# Altium PCB 1.4.0_Power_board_flight_computer.PcbDoc
Units mm, origin at the board's own origin, x right, y up, seen from the top; angles counter-clockwise.
Board outline 152.4 x 101.6 mm, 2 copper layers (Top Layer, Bottom Layer); 253 components, 152 nets, 1140 pads, 0 vias.
Unrouted connection lines stored in the file: 562.
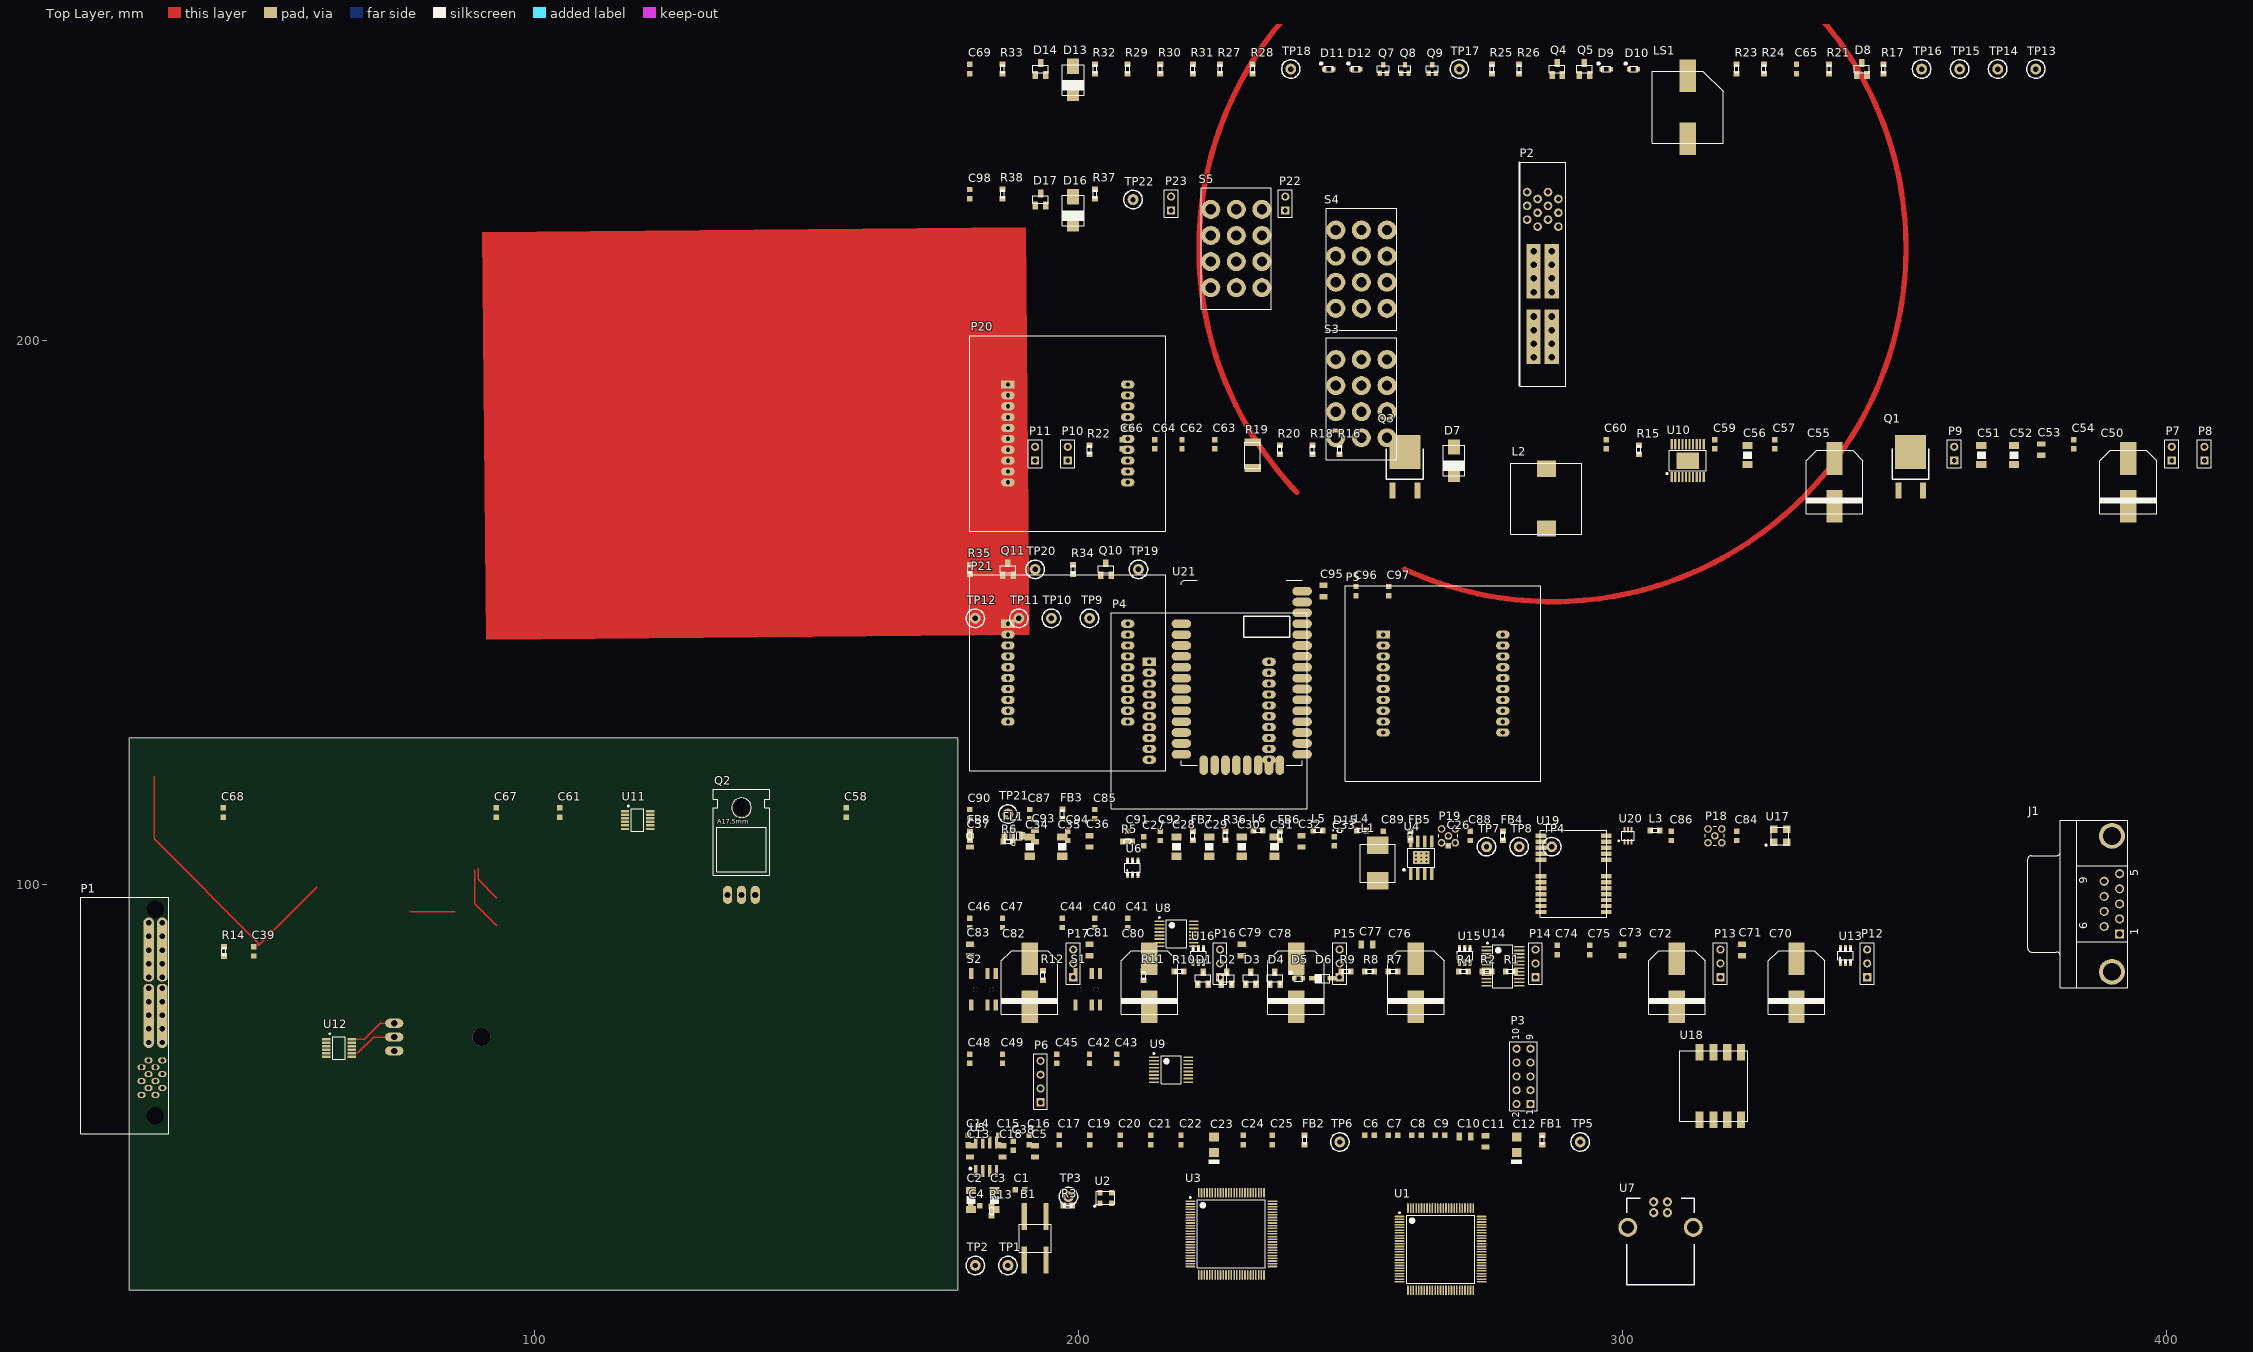
[diagram p0: Top Layer view]
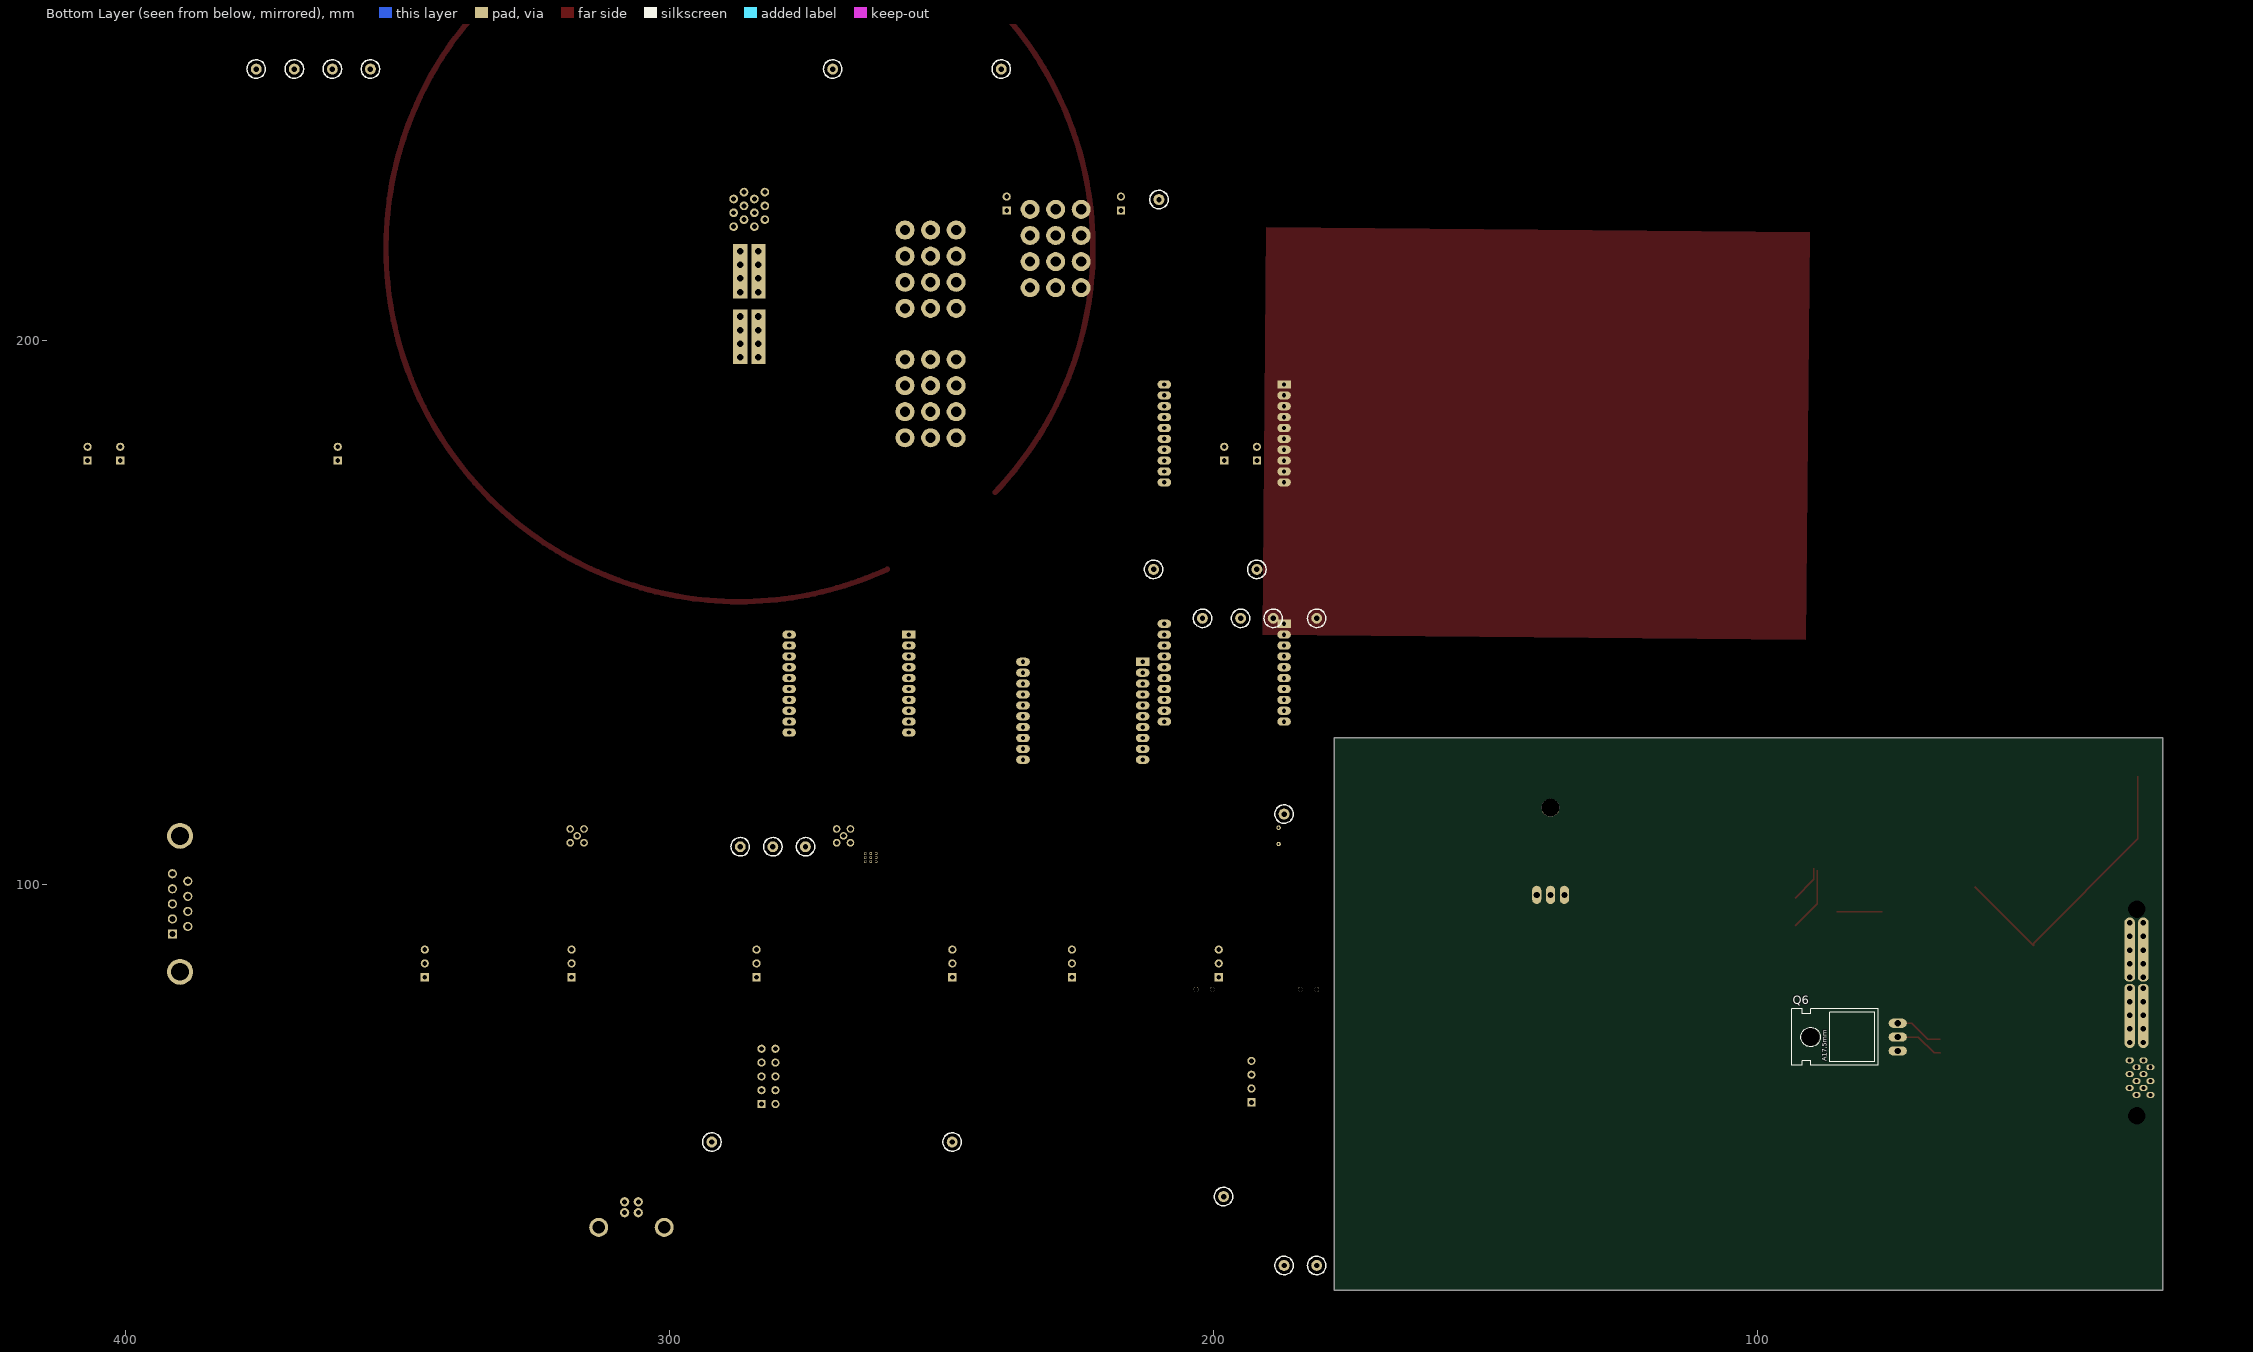
[diagram p1: Bottom Layer view, seen from below]

## Layer stack, top to bottom
Top Solder: solder mask 0.0102, Solder Resist, Dk 3.5
Top Layer: signal copper 0.0356
Dielectric 1: dielectric 0.32, FR-4, Dk 4.8
Bottom Layer: signal copper 0.0356
Bottom Solder: solder mask 0.0102, Solder Resist, Dk 3.5

## Board outline
25.4,25.4 177.8,25.4 177.8,127 25.4,127

## Design rules (kind name [scope] priority, off if disabled: settings)
Clearance [All] p1: gap=0.254
PolygonConnect [All] p1: connectstyle=Relief reliefconductorwidth=0.254 reliefentries=4 polygonreliefangle="90 Angle" airgapwidth=0.254
RoomDefinition 1.2.2_Power_board_PL_power_supply [InComponentClass('1.2.2_Power_board_PL_power_supply')] p1: confinementstyle=ConfineIn formatcopy=TRUE lockcomponents=FALSE outline 179,205 242,205 242,232 179,232
RoomDefinition 1.1.0_Interface_board [InComponentClass('1.1.0_Interface_board')] p2: confinementstyle=ConfineIn formatcopy=TRUE lockcomponents=FALSE outline 179,28 207,28 207,75 179,75
RoomDefinition 1.2.0_XBee_module [InComponentClass('1.2.0_XBee_module')] p3: confinementstyle=ConfineIn formatcopy=TRUE lockcomponents=FALSE outline 179,119 262,119 262,159 179,159
RoomDefinition 1.1.6_Interface_board_Sensors [InComponentClass('1.1.6_Interface_board_Sensors')] p4: confinementstyle=ConfineIn formatcopy=TRUE lockcomponents=FALSE outline 179,93 332,93 332,114 179,114
RoomDefinition 1.1.5_Interface_board_Servos [InComponentClass('1.1.5_Interface_board_Servos')] p5: confinementstyle=ConfineIn formatcopy=TRUE lockcomponents=FALSE outline 179,74 347,74 347,93 179,93
RoomDefinition 1.4.0_Power_board_flight_computer [InComponentClass('1.4.0_Power_board_flight_computer')] p6: confinementstyle=ConfineIn formatcopy=TRUE lockcomponents=FALSE outline 0,0 50.8,0 50.8,25.4 0,25.4
RoomDefinition 1.1.4_Interface_board_USB [InComponentClass('1.1.4_Interface_board_USB')] p7: confinementstyle=ConfineIn formatcopy=TRUE lockcomponents=FALSE outline 178.943,88.773 211.582,88.773 211.582,107.95 178.943,107.95
RoomDefinition 1.1.3_Interface_board_JTAG [InComponentClass('1.1.3_Interface_board_JTAG')] p8: confinementstyle=ConfineIn formatcopy=TRUE lockcomponents=FALSE outline 178.943,58.547 284.861,58.547 284.861,87.503 178.943,87.503
RoomDefinition 1.1.2_Interface_board_Power_Supply [InComponentClass('1.1.2_Interface_board_Power_Supply')] p9: confinementstyle=ConfineIn formatcopy=TRUE lockcomponents=FALSE outline 178.943,48.514 295.148,48.514 295.148,57.277 178.943,57.277
RoomDefinition 1.1.1_Interface_board_MCU [InComponentClass('1.1.1_Interface_board_MCU')] p10: confinementstyle=ConfineIn formatcopy=TRUE lockcomponents=FALSE outline 178.943,26.924 236.982,26.924 236.982,47.244 178.943,47.244
RoutingVias [All] p1: holewidth=0.711 width=1.27 viastyle="Through Hole" minholewidth=0.711 minwidth=1.27 maxholewidth=0.711 maxwidth=1.27
SolderMaskExpansion [All] p1: expansion=0.102
Width [All] p1: maxlimit=0.254 minlimit=0.254 preferedwidth=0.254
30 further rules are at their usual default settings.

## Classes and differential pairs
component class 1.2.2_Power_board_PL_power_supply: C98 D16 D17 P22 P23 R37 R38 TP22
component class 1.1.0_Interface_board: P15
component class 1.1.6_Interface_board_Sensors: C84 C85 C86 C87 C88 C89 C90 C91 C92 C93 C94 D15 FB3 FB4 FB5 FB6 FB7 FB8 FL1 L2 L3 L4 L6 P18 P19 Q10 Q11 R34 R35 R36 TP19 TP20 TP21 U17 U18 U19 U21
component class 1.1.5_Interface_board_Servos: C40 C46 C57 C62 C71 C73 C77 C78 C80 C85 C90 C93 C95 C96 P7 P11 P14 P15 P16 U14 U17 U21
component class 1.4.0_Power_board_flight_computer: C15 C40 C46 C53 C57 C59 C62 C65 C66 C67 C68 C69 C77 C88 C89 C92 C93 C94 C96 D6 D8 D12 D13 D14 D15 L4 LS1 P8 P10 P11 P16 P18 Q1 Q2 Q3 Q4 Q5 Q6 Q7 Q8 Q9 R17 R18 R19 R20 R21 R22 R23 R24 R25 R26 R27 R28 R29 R30 R31 R32 R33 R36 S3 S4 TP13 TP14 TP15 TP16 TP17 TP18 U14 U21
component class 1.1.4_Interface_board_USB: C39 C40 C42 C43 C45 C46 C49 C77 C80 C84 C96 D5 J1 P14 P15 P16 R13 R14 TP9 TP10 TP11 TP12 U7 U8 U17 U21
component class 1.1.3_Interface_board_JTAG: C38 D1 D2 D3 D4 R3 R7 R8 R9 R10 R12 S1 S2 U17
component class 1.1.2_Interface_board_Power_Supply: C6 C7 C8 C9 C10 C11 C12 C13 C14 C15 C16 C17 C19 C20 C21 C22 C23 C24 C25 C38 C39 C42 C43 C45 C49 C57 C68 C71 C73 C77 C84 C93 FB1 FB2 L3 R10 TP5 TP6 TP7 TP8 TP21 U2 U21
component class 1.1.1_Interface_board_MCU: B1 C1 C2 C3 C4 R1 R2 R4 TP1 TP3 TP5 U2 U3
component class 1.2.0_XBee_module: C95 C96 C97 P20 P21 U21

## Components (designator, comment, footprint, x,y, rotation, side; value= is the part's Value field where it differs from the comment)
B1 "Switch OFF-(ON)" "SWITCH CK" 192,35 r0 top
C1 "100nF" CAP0603R 189.23,43.942 r0 top
C2 "2.2uF" CAP1206W 180.213,42.037 r90 top
C3 "2.2uF" CAP1206W 184.531,42.037 r90 top
C4 "100nF" CAP0603R 181,41 r0 top
C5 "10uF" CAP0805W 192,51 r90 top
C6 "100nF" CAP0603R 253.492,53.975 r0 top
C7 "100nF" CAP0603R 257.81,53.975 r0 top
C8 "100nF" CAP0603R 262.128,53.975 r0 top
C9 "100nF" CAP0603R 266.446,53.975 r0 top
C10 "4.7uF" CAP0805W 271.018,53.721 r0 top
C11 "4.7uF" CAP0805W 274.828,52.832 r90 top
C12 "1uF" CAP1206-CASE_A 280.543,52.197 r90 top
C13 "10uF" CAP0805W 180,51 r90 top
C14 "100nF" CAP0603R 179.705,53.086 r90 top
C15 "100nF" CAP0603R 185.293,53.086 r90 top
C16 "100nF" CAP0603R 190.881,53.086 r90 top
C17 "100nF" CAP0603R 196.469,53.086 r90 top
C18 "10uF" CAP0805W 186,51 r90 top
C19 "100nF" CAP0603R 202.057,53.086 r90 top
C20 "100nF" CAP0603R 207.645,53.086 r90 top
C21 "100nF" CAP0603R 213.233,53.086 r90 top
C22 "100nF" CAP0603R 218.821,53.086 r90 top
C23 "1uF" CAP1206-CASE_A 224.917,52.197 r90 top
C24 "100nF" CAP0603R 230.251,53.086 r90 top
C25 "100nF" CAP0603R 235.585,53.086 r90 top
C26 "470nF" CAP0603R 268,108 r90 top
C27 "82pF" CAP0603R 212,108 r90 top
C28 "47uF" CAP1206W 218,107 r90 top
C29 "47uF" CAP1206W 224,107 r90 top
C30 "47uF" CAP1206W 230,107 r90 top
C31 "47uF" CAP1206W 236,107 r90 top
C32 "10uF" CAP0805W 241,108 r90 top
C33 "100nF" CAP0603R 247,108 r90 top
C34 "47uF" CAP1206W 191,107 r90 top
C35 "47uF" CAP1206W 197,107 r90 top
C36 "10uF" CAP0805W 202,108 r90 top
C37 "4.7uF" CAP0805W 180,108 r90 top
C38 "220nF" CAP0603R 188,52 r90 top
C39 "4.7nF" CAP0603R 48.293,87.759 r90 top
C40 "220nF" CAP0603R 203,93 r90 top
C41 "220nF" CAP0603R 209,93 r90 top
C42 "220nF" CAP0603R 202,68 r90 top
C43 "220nF" CAP0603R 207,68 r90 top
C44 "220nF" CAP0603R 197,93 r90 top
C45 "220nF" CAP0603R 196,68 r90 top
C46 "220nF" CAP0603R 180,93 r90 top
C47 "220nF" CAP0603R 186,93 r90 top
C48 "220nF" CAP0603R 180,68 r90 top
C49 "220nF" CAP0603R 186,68 r90 top
C50 "470uF" PCV_10X10 393,174 r0 top
C51 "47uF" CAP1206W 366,179 r90 top
C52 "47uF" CAP1206W 372,179 r90 top
C53 "10uF" CAP0805W 377,180 r90 top
C54 "100nF" CAP0603R 383,181 r90 top
C55 "470uF" PCV_10X10 339,174 r0 top
C56 "47uF" CAP1206W 323,179 r90 top
C57 "100nF" CAP0603R 328,181 r90 top
C58 "100nF" CAP0603R 157.259,113.286 r90 top
C59 "1uF" CAP0603R 317,181 r90 top
C60 "1uF" CAP0603R 297,181 r90 top
C61 "100nF" CAP0603R 104.554,113.286 r90 top
C62 "560pF" CAP0603R 219,181 r90 top
C63 "10nF" CAP0603R 225,181 r90 top
C64 "82pF" CAP0603R 214,181 r90 top
C65 "100nF" CAP0603R 332,250 r90 top
C66 "10nF" CAP0603R 208,181 r90 top
C67 "100nF" CAP0603R 92.87,113.286 r90 top
C68 "100nF" CAP0603R 42.705,113.286 r90 top
C69 "100nF" CAP0603R 180,250 r90 top
C70 "470uF" PCV_10X10 332,82 r0 top
C71 "10uF" CAP0805W 322,88 r90 top
C72 "470uF" PCV_10X10 310,82 r0 top
C73 "10uF" CAP0805W 300,88 r90 top
C74 "100nF" CAP0603R 288,88 r90 top
C75 "100nF" CAP0603R 294,88 r90 top
C76 "470uF" PCV_10X10 262,82 r0 top
C77 "10uF" CAP0805W 253,89 r0 top
C78 "470uF" PCV_10X10 240,82 r0 top
C79 "10uF" CAP0805W 230,88 r90 top
C80 "470uF" PCV_10X10 213,82 r0 top
C81 "10uF" CAP0805W 202,88 r90 top
C82 "470uF" PCV_10X10 191,82 r0 top
C83 "10uF" CAP0805W 180,88 r90 top
C84 "100nF" CAP0603R 321,109 r90 top
C85 "100nF" CAP0603R 203,113 r90 top
C86 "47pF" CAP0603R 309,109 r90 top
C87 "100nF" CAP0603R 191,113 r90 top
C88 "47pF" CAP0603R 272,109 r90 top
C89 "47pF" CAP0603R 256,109 r90 top
C90 "100nF" CAP0603R 180,113 r90 top
C91 "100nF" CAP0603R 209,109 r90 top
C92 "100nF" CAP0603R 215,109 r90 top
C93 "10uF" CAP0805W 192,109 r90 top
C94 "100nF" CAP0603R 198,109 r90 top
C95 "10uF" CAP0805W 245,154 r90 top
C96 "220nF" CAP0603R 251,154 r90 top
C97 "47pF" CAP0603R 257,154 r90 top
C98 "100nF" CAP0603R 180,227 r90 top
D1 "3V6" SOT23 222.885,82.804 r0 top
D2 "3V6" SOT23 227.203,82.804 r0 top
D3 "3V6" SOT23 231.648,82.804 r0 top
D4 "3V6" SOT23 236.093,82.804 r0 top
D5 "LED" WL-SMCW 240.411,82.804 r0 top
D6 "DS_NRVB0530T3G" SOD123 244.856,82.804 r0 top
D7 "20V" DO-214AA 269,178 r90 top
D8 "3V6" SOT23 344,250 r0 top
D9 "LED" WL-SMCW 297,250 r0 top
D10 "LED" WL-SMCW 302,250 r0 top
D11 "LED" WL-SMCW 246,250 r0 top
D12 "LED" WL-SMCW 251,250 r0 top
D13 "20V" DO-214AA 199,248 r90 top
D14 "3V6" SOT23 193,250 r0 top
D15 "5V" SOD-923 248,110 r0 top
D16 "20V" DO-214AA 199,224 r90 top
D17 "3V6" SOT23 193,226 r0 top
FB1 "81-BLM18KG601SZ1D" 0603 285.242,53.086 r90 top
FB2 "81-BLM18KG601SZ1D" 0603 241.554,53.086 r90 top
FB3 "81-BLM18KG601SZ1D" 0603 197,113 r90 top
FB4 "81-BLM18KG601SZ1D" 0603 278,109 r90 top
FB5 "81-BLM18KG601SZ1D" 0603 261,109 r90 top
FB6 "81-BLM18KG601SZ1D" 0603 237,109 r90 top
FB7 "81-BLM18KG601SZ1D" 0603 221,109 r90 top
FB8 "81-BLM18KG601SZ1D" 0603 180,109 r90 top
FL1 "NFE31P Series (1206 Size)   Chip EMIFILr LC Combined Type" LCL_NFE31P 188,109 r0 top
J1 "D Connector 9" DSUB1.385-2H9 380.5,96.495 r90 top
L1 "3.3uH" IHLP-2525CZ-01_Inductor 255,104 r0 top
L2 "3.3uH" IHLP_INDUCTOR 286,171 r0 top
L3 "27nH" 0603 306,110 r0 top
L4 "27nH" 0603 252,110 r0 top
L5 "27nH" 0603 244,110 r0 top
L6 "27nH" 0603 233,110 r0 top
LS1 "Buzzer" CT-1205C-SMT 312,243 r0 top
P1 "45985-4413" "45985-4413 PCB Receptacles" 31.5,93 r270 top
P2 "46114-4120" "46114-4120 PCB Receptacles" 283.67,197 r90 top
P3 "Header 5X2" HDR2X5 283.083,59.69 r90 top
P4 "XBee receptacle" "XBee receptacle" 224,132 r0 top
P5 "XBee receptacle" "XBEE RECEPTACLE" 267,137 r0 top
P6 "Header 4" HDR1X4 193,60 r90 top
P7 "Header 2" HDR1X2 401,178 r90 top
P8 "Header 2" HDR1X2 407,178 r90 top
P9 "Header 2" HDR1X2 361,178 r90 top
P10 "Header 2" HDR1X2 198,178 r90 top
P11 "Header 2" HDR1X2 192,178 r90 top
P12 "Header 3" HDR1X3 345,83 r90 top
P13 "Header 3" HDR1X3 318,83 r90 top
P14 "Header 3" HDR1X3 284,83 r90 top
P15 "Header 3" HDR1X3 248,83 r90 top
P16 "Header 3" HDR1X3 226,83 r90 top
P17 "Header 3" HDR1X3 199,83 r90 top
P18 "COAX-M" MMCX2.54-V5 317,109 r0 top
P19 "COAX-M" MMCX2.54-V5 268,109 r0 top
P20 "XBee pin" "XBee receptacle" 198,183 r0 top
P21 "XBee pin" "XBEE RECEPTACLE" 198,139 r0 top
P22 "Header 2" HDR1X2 238,224 r90 top
P23 "Header 2" HDR1X2 217,224 r90 top
Q1 "MOSFET_N" TO252 353,177 r0 top
Q2 "MOSFET_N" TO220 138,103 r0 top
Q3 "MOSFET_N" TO252 260,177 r0 top
Q4 "MOSFET_P" SOT23 288,250 r0 top
Q5 "MOSFET_P" SOT23 293,250 r0 top
Q6 "MOSFET_N" TO220 79,72 r90 bottom
Q7 "MOSFET_N" SOT-323-3 256,250 r0 top
Q8 "MOSFET_N" SOT-323-3 260,250 r0 top
Q9 "MOSFET_N" SOT-323-3 265,250 r0 top
Q10 "MOSFET_P" SOT23 205,158 r0 top
Q11 "MOSFET_P" SOT23 187,158 r0 top
R1 "1K" 0603 279.4,84.074 r0 top
R2 "1K" 0603 275.082,84.074 r0 top
R3 "10K" 0603 198,41 r0 top
R4 "10" 0603 270.764,84.074 r0 top
R5 "6K19" 0603 209,108 r0 top
R6 "2K7" 0603 187,108 r0 top
R7 "22" 0603 257.81,84.074 r0 top
R8 "22" 0603 253.492,84.074 r0 top
R9 "22" 0603 249.174,84.074 r0 top
R10 "22" 0603 218.44,84.074 r0 top
R11 "10K" 0603 211.963,83.312 r90 top
R12 "10K" 0603 193.421,83.312 r90 top
R13 "10" 0603 184,40 r90 top
R14 "1M" 0603 42.832,87.759 r90 top
R15 "10K" 0603 303,180 r90 top
R16 "6K19" 0603 248,180 r90 top
R17 "10K" 0603 348,250 r90 top
R18 "18K7" 0603 243,180 r90 top
R19 "3m" 2010 232,179 r90 top
R20 "2K" 0603 237,180 r90 top
R21 "2K" 0603 338,250 r90 top
R22 "6K19" 0603 202,180 r90 top
R23 "18K7" 0603 321,250 r90 top
R24 "18K7" 0603 326,250 r90 top
R25 "22" 0603 276,250 r90 top
R26 "22" 0603 281,250 r90 top
R27 "22" 0603 226,250 r90 top
R28 "22" 0603 232,250 r90 top
R29 "18K7" 0603 209,250 r90 top
R30 "18K7" 0603 215,250 r90 top
R31 "18K7" 0603 221,250 r90 top
R32 "10K" 0603 203,250 r90 top
R33 "2K" 0603 186,250 r90 top
R34 "18K7" 0603 199,158 r90 top
R35 "18K7" 0603 180,158 r90 top
R36 "10" 0603 227,109 r90 top
R37 "10K" 0603 203,227 r90 top
R38 "2K" 0603 186,227 r90 top
S1 "SW DPDT" "SMD SLIDE SWITCHES ON-ON" 201.676,80.772 r0 top
S2 "SW DPDT" "SMD SLIDE SWITCHES ON-ON" 182.499,80.772 r0 top
S3 "SW 4PDT" M2042SS4W03 252,189.4 r90 top
S4 "SW 4PDT" M2042SS4W03 252,213.2 r90 top
S5 "SW 4PDT" M2042SS4W03 229,217 r90 top
TP1 "Test point" TP 187,30 r0 top
TP2 "Test point" TP 181,30 r0 top
TP3 "Test point" TP 198.12,42.672 r0 top
TP4 "Test point" TP 287,107 r0 top
TP5 "Test point" TP 292.227,52.705 r0 top
TP6 "Test point" TP 248.031,52.705 r0 top
TP7 "Test point" TP 275,107 r0 top
TP8 "Test point" TP 281,107 r0 top
TP9 "Test point" TP 202,149 r0 top
TP10 "Test point" TP 195,149 r0 top
TP11 "Test point" TP 189,149 r0 top
TP12 "Test point" TP 181,149 r0 top
TP13 "Test point" TP 376,250 r0 top
TP14 "Test point" TP 369,250 r0 top
TP15 "Test point" TP 362,250 r0 top
TP16 "Test point" TP 355,250 r0 top
TP17 "Test point" TP 270,250 r0 top
TP18 "Test point" TP 239,250 r0 top
TP19 "Test point" TP 211,158 r0 top
TP20 "Test point" TP 192,158 r0 top
TP21 "Test point" TP 187,113 r0 top
TP22 "Test point" TP 210,226 r0 top
U1 "STM32F405VGT6" STM-LQFP100_N 266.55,33 r0 top
U2 "25MHz" SMD_3.2X2.5MM_4P 204.978,42.418 r0 top
U3 "STM32F405VGT6" STM-LQFP100_N 228.092,35.814 r0 top
U4 "LMR23630" HSOIC-8 263,105 r0 top
U5 "Flash 8MB" SOIC-8 183,50 r0 top
U6 "USBLC6-2SC6Y" SOT23-6L 209.931,103.124 r0 top
U7 "USB_type_B_KUSBXHT-BS1N-O-HRF" "USB TYPE B RIGHT ANGLE" 307,37 r0 top
U8 "MAX3232EUE" "TSSOP 16" 218,91 r0 top
U9 "MAX3232EUE" "TSSOP 16" 217,66 r0 top
U10 "LM25116MHX/NOPB" "HTSSOP 20" 312,178 r0 top
U11 "LTC4352" TSOP612 118.905,111.889 r0 top
U12 "LTC4352" TSOP612 64,70 r0 top
U13 "USBLC6-2SC6Y" SOT23-6L 341,87 r0 top
U14 "SN74LVC4245A" "TSSOP 24" 278,85 r0 top
U15 "USBLC6-2SC6Y" SOT23-6L 271,87 r0 top
U16 "USBLC6-2SC6Y" SOT23-6L 222,87 r0 top